# Altium PCB BLDC_DRIVER_1.2_AR.PcbDoc (part 1 of 3) (continued)
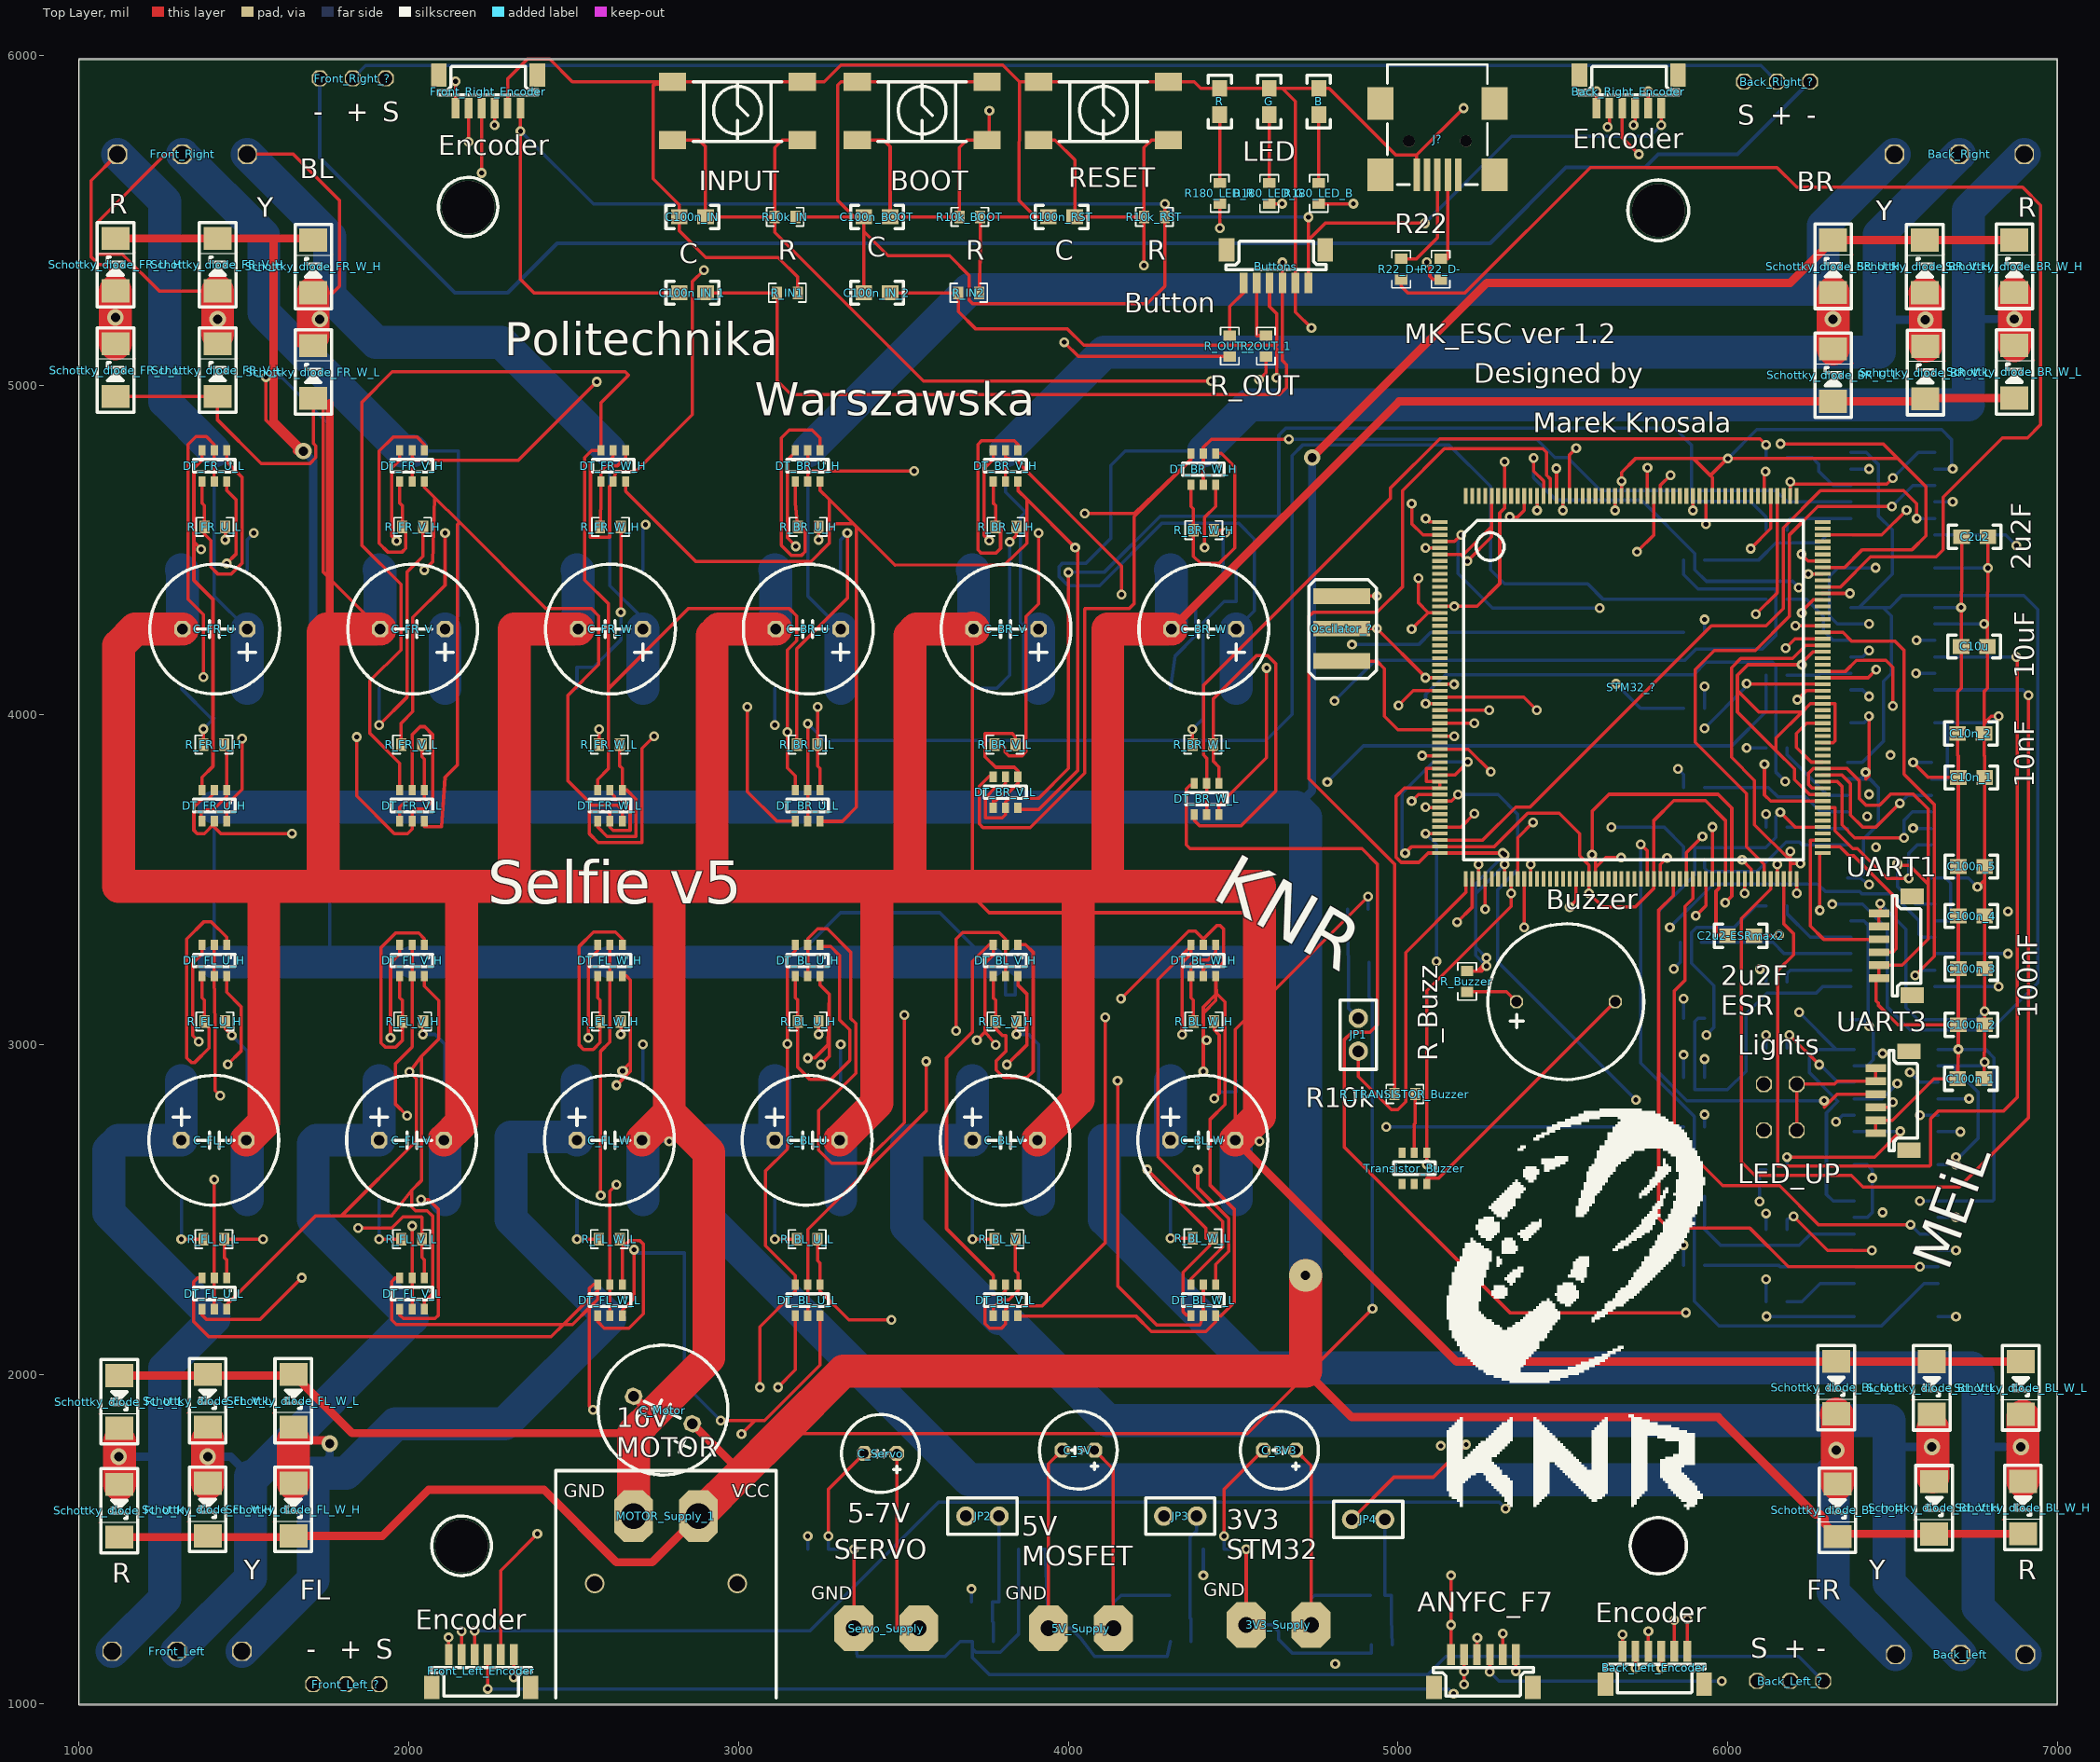
[diagram p0: Top Layer view]
## Components (designator, comment, footprint, x,y, rotation, side; value= is the part's Value field where it differs from the comment) (continued)
DT_FR_W_L "Dual_transistors" SOT457 2610,3660 r180 top
Front_Left "3_phase_engine_con" DG300-5.0-03P-12-00A 1100,1160 r0 top
Front_Left_? "Servo_con" Raster_2.54_3pin 1710,1060 r0 top
Front_Left_Encoder "SPI" "JST SR SH 1.0 TOP" 2070,1050 r0 top
Front_Right "3_phase_engine_con" DG300R-5.0-03P-12-00A(H) 1510,5700 r180 top
Front_Right_? "Servo_con" Raster_2.54_3pin 1730,5930 r0 top
Front_Right_Encoder "SPI" "JST SR SH 1.0 TOP" 2390,5940 r180 top
G "LED" 0603 4610,5820 r90 top
INPUT "Tact_Switch" "LSH Gullwing" 2800,5920 r180 top
J? "65100516121" 65100516121 5120,5790 r180 top
JP1 "jumper" jumper 4880,3080 r270 top
JP2 "jumper" jumper 3790,1570 r180 top
JP3 "jumper" jumper 4390,1570 r180 top
JP4 "jumper" jumper 4960,1560 r180 top
LED_UP "LED_UP" Raster_2.54_2pin 6210,2740 r180 top
Lights "WS2812" Raster_2.54_2pin 6210,2880 r180 top
MOSFET_BL_U_H "IFR1018EPbF" TO-263 3110,2890 r180 bottom
MOSFET_BL_U_L "IFR1018EPbF" TO-263 3310,2530 r0 bottom
MOSFET_BL_V_H "IFR1018EPbF" TO-263 3710,2890 r180 bottom
MOSFET_BL_V_L "IFR1018EPbF" TO-263 3910,2530 r0 bottom
MOSFET_BL_W_H "IFR1018EPbF" TO-263 4310,2890 r180 bottom
MOSFET_BL_W_L "IFR1018EPbF" TO-263 4510,2530 r0 bottom
MOSFET_BR_U_H "IFR1018EPbF" TO-263 3310,4080 r0 bottom
MOSFET_BR_U_L "IFR1018EPbF" TO-263 3110,4440 r180 bottom
MOSFET_BR_V_H "IFR1018EPbF" TO-263 3910,4080 r0 bottom
MOSFET_BR_V_L "IFR1018EPbF" TO-263 3710,4440 r180 bottom
MOSFET_BR_W_H "IFR1018EPbF" TO-263 4510,4080 r0 bottom
MOSFET_BR_W_L "IFR1018EPbF" TO-263 4310,4440 r180 bottom
MOSFET_FL_U_H "IFR1018EPbF" TO-263 1310,2890 r180 bottom
MOSFET_FL_U_L "IFR1018EPbF" TO-263 1510,2530 r0 bottom
MOSFET_FL_V_H "IFR1018EPbF" TO-263 1910,2890 r180 bottom
MOSFET_FL_V_L "IFR1018EPbF" TO-263 2110,2530 r0 bottom
MOSFET_FL_W_H "IFR1018EPbF" TO-263 2510,2890 r180 bottom
MOSFET_FL_W_L "IFR1018EPbF" TO-263 2710,2530 r0 bottom
MOSFET_FR_U_H "IFR1018EPbF" TO-263 1510,4080 r0 bottom
MOSFET_FR_U_L "IFR1018EPbF" TO-263 1310,4440 r180 bottom
MOSFET_FR_V_H "IFR1018EPbF" TO-263 2110,4080 r0 bottom
MOSFET_FR_V_L "IFR1018EPbF" TO-263 1910,4440 r180 bottom
MOSFET_FR_W_H "IFR1018EPbF" TO-263 2710,4080 r0 bottom
MOSFET_FR_W_L "IFR1018EPbF" TO-263 2510,4440 r180 bottom
MOTOR_Supply_1 "2-pin" XT30-katowy-in 2780,1570 r180 top (schematic designator MOT_OUT)
Oscilator_? "CSTCC8M00G53-R0" CSTCC8M00G53-R0 4830,4360 r270 top
R "LED" 0603 4460,5820 r90 top
R10k_BOOT "Res" R0603 3670,5510 r0 top
R10k_IN "Res" R0603 3110,5510 r0 top
R10k_RST "Res" R0603 4230,5510 r0 top
R22_D+ "Res" R0603 5010,5320 r90 top
R22_D- "Res" R0603 5130,5320 r90 top
R180_LED_B "Res" R0603 4760,5550 r90 top
R180_LED_G "Res" R0603 4610,5550 r90 top
R180_LED_R "Res" R0603 4460,5550 r90 top
R_3V3_1 "Res" R0603 4980,1330 r180 bottom
R_3V3_2 "Res" R0603 4920,1180 r0 bottom
R_BL_U_H "Res" R0603 3180,3070 r0 top
R_BL_U_L "Res" R0603 3240,2410 r180 top
R_BL_V_H "Res" R0603 3780,3070 r0 top
R_BL_V_L "Res" R0603 3840,2410 r180 top
R_BL_W_H "Res" R0603 4380,3070 r0 top
R_BL_W_L "Res" R0603 4440,2412.28 r180 top
R_BR_U_H "Res" R0603 3180,4570 r0 top
R_BR_U_L "Res" R0603 3240,3910 r180 top
R_BR_V_H "Res" R0603 3780,4570 r0 top
R_BR_V_L "Res" R0603 3840,3910 r180 top
R_BR_W_H "Res" R0603 4380,4560 r0 top
R_BR_W_L "Res" R0603 4440,3910 r180 top
R_Buzzer "Res" R0603 5210,3160 r90 top
R_DT_BL_U_H "Res" R0603 5930,2900 r180 bottom
R_DT_BL_U_L "Res" R0603 6180,2990 r180 bottom
R_DT_BL_V_H "Res" R0603 5930,3080 r180 bottom
R_DT_BL_V_L "Res" R0603 6180,3190 r180 bottom
R_DT_BL_W_H "Res" R0603 5920,3310 r180 bottom
R_DT_BL_W_L "Res" R0603 6180,3420 r180 bottom
R_DT_BR_U_H "Res" R0603 5930,4250 r180 bottom
R_DT_BR_U_L "Res" R0603 6180,4350 r180 bottom
R_DT_BR_V_H "Res" R0603 5930,4470 r180 bottom
R_DT_BR_V_L "Res" R0603 6180,4560 r180 bottom
R_DT_BR_W_H "Res" R0603 5920,4680 r180 bottom
R_DT_BR_W_L "Res" R0603 6180,4780 r180 bottom
R_DT_FL_U_H "Res" R0603 6180,2220 r180 bottom
R_DT_FL_U_L "Res" R0603 5930,2330 r180 bottom
R_DT_FL_V_H "Res" R0603 6180,2440 r180 bottom
R_DT_FL_V_L "Res" R0603 5930,2540 r180 bottom
R_DT_FL_W_H "Res" R0603 6180,2620 r180 bottom
R_DT_FL_W_L "Res" R0603 5930,2750 r180 bottom
R_DT_FR_U_H "Res" R0603 5930,3560 r180 bottom
R_DT_FR_U_L "Res" R0603 6180,3660 r180 bottom
R_DT_FR_V_H "Res" R0603 5930,3780 r180 bottom
R_DT_FR_V_L "Res" R0603 6180,3900 r180 bottom
R_DT_FR_W_H "Res" R0603 5930,4020 r180 bottom
R_DT_FR_W_L "Res" R0603 6180,4120 r180 bottom
R_FL_U_H "Res" R0603 1380,3070 r0 top
R_FL_U_L "Res" R0603 1440,2410 r180 top
R_FL_V_H "Res" R0603 1980,3070 r0 top
R_FL_V_L "Res" R0603 2040,2410 r180 top
R_FL_W_H "Res" R0603 2580,3070 r0 top
R_FL_W_L "Res" R0603 2640,2410 r180 top
R_FR_U_H "Res" R0603 1440,3910 r180 top
R_FR_U_L "Res" R0603 1380,4570 r0 top
R_FR_V_H "Res" R0603 1980,4570 r0 top
R_FR_V_L "Res" R0603 2040,3910 r180 top
R_FR_W_H "Res" R0603 2580,4570 r0 top
R_FR_W_L "Res" R0603 2640,3910 r180 top
R_GND_5V_3V3 "Res" R0603 4410,1470 r0 bottom
R_GND_MOT_SERV "Res" R0603 3210,1470 r0 bottom
R_GND_SERV_5V "Res" R0603 3850,1470 r0 bottom
R_IN1 "Res" R0603 3180,5280 r180 top
R_IN2 "Res" R0603 3730,5280 r180 top
R_OUT_1 "Res" R0603 4600,5150 r270 top
R_OUT_2 "Res" R0603 4490,5150 r270 top
R_TRANSISTOR_Buzzer "Res" R0603 4990,2850 r0 top
R_V5_1 "Res" R0603 4370,1330 r180 bottom
R_V5_2 "Res" R0603 4310,1190 r0 bottom
R_VMOT1 "Res" R0603 4850,3250 r0 bottom
R_VMOT2 "Res" R0603 4910,3410 r180 bottom
R_VSERVO1 "Res" R0603 3770,1310 r180 bottom
R_VSERVO2 "Res" R0603 3710,1190 r0 bottom
RESET "Tact_Switch" "LSH Gullwing" 3910,5920 r180 top
Schottky_diode_BL_U_H "Schottky_diode" DO-214AC 6333.62,1508.07 r270 top
Schottky_diode_BL_U_L "Schottky_diode" DO-214AC 6330,1880 r270 top
Schottky_diode_BL_V_H "Schottky_diode" DO-214AC 6627.09,1515.36 r270 top
Schottky_diode_BL_V_L "Schottky_diode" DO-214AC 6619.81,1878.86 r270 top
Schottky_diode_BL_W_H "Schottky_diode" DO-214AC 6896.11,1516.15 r270 top
Schottky_diode_BL_W_L "Schottky_diode" DO-214AC 6889.81,1878.86 r270 top
Schottky_diode_BR_U_H "Schottky_diode" DO-214AC 6320,5440 r90 top
Schottky_diode_BR_U_L "Schottky_diode" DO-214AC 6320,5110 r90 top
Schottky_diode_BR_V_H "Schottky_diode" DO-214AC 6598.19,5439.49 r90 top
Schottky_diode_BR_V_L "Schottky_diode" DO-214AC 6600,5117.68 r90 top
Schottky_diode_BR_W_H "Schottky_diode" DO-214AC 6870,5440 r90 top
Schottky_diode_BR_W_L "Schottky_diode" DO-214AC 6870,5120 r90 top
Schottky_diode_FL_U_H "Schottky_diode" DO-214AC 1122.13,1506.57 r270 top
Schottky_diode_FL_U_L "Schottky_diode" DO-214AC 1122.13,1836.57 r270 top
Schottky_diode_FL_V_H "Schottky_diode" DO-214AC 1390,1510 r270 top
Schottky_diode_FL_V_L "Schottky_diode" DO-214AC 1390,1840 r270 top
Schottky_diode_FL_W_H "Schottky_diode" DO-214AC 1650,1510 r270 top
Schottky_diode_FL_W_L "Schottky_diode" DO-214AC 1650,1840 r270 top
Schottky_diode_FR_U_H "Schottky_diode" DO-214AC 1110,5445 r90 top
Schottky_diode_FR_U_L "Schottky_diode" DO-214AC 1110,5125 r90 top
Schottky_diode_FR_V_H "Schottky_diode" DO-214AC 1420,5445 r90 top
Schottky_diode_FR_V_L "Schottky_diode" DO-214AC 1420,5125 r90 top
Schottky_diode_FR_W_H "Schottky_diode" DO-214AC 1710,5439.45 r90 top
Schottky_diode_FR_W_L "Schottky_diode" DO-214AC 1710,5119.45 r90 top
Servo_Supply "2-pin" 2-pin-zielony-prosty 3350,1230 r0 top
STM32_? "STM32F769BGT6-SELFIE" LQFP208 5200,4640 r0 top
TO1 "HCPL-090J" SOIC-16 6620,2530 r270 bottom
TO2 "HCPL-090J" SOIC-16 6620,2990 r270 bottom
TO3 "HCPL-090J" SOIC-16 6610,3430 r270 bottom
TO4 "HCPL-090J" SOIC-16 6600,3860 r270 bottom
TO5 "HCPL-090J" SOIC-16 6610,4330 r270 bottom
TO6 "HCPL-090J" SOIC-16 6610,4800 r270 bottom
Transistor_Buzzer "PBSS4160DPN.115" SOT457 5050,2560 r180 top
UART1 "UART" "JST SR SH 1.0 TOP" 6560,3150 r90 top
UART3 "UART" "JST SR SH 1.0 TOP" 6550,2680 r90 top

## Footprints (in the part's own frame and the unit in brackets; to place one, negate y for a bottom-side part, rotate by r counter-clockwise, add the part's x,y. Pads: shape width x height; smd on the part's side, far side on the other; paste and mask are expansions set on the pad)
2-pin-zielony-prosty [mm]
  oct 3x3.5 hole 1.2: 1(0,0) 2(5,0)
  body extent -3.5,-4.7 8.5,3.8, height 12
2.5mm [mil]
  oct 45x45 hole 28: 1(0,0) 2(98.43,0)
  silkscreen extent -69,-118 167,118, body extent -49,-98 148,98, height 433
5mm [mil]
  oct 50x50 hole 32: 1(0,0) 2(196.85,0)
  silkscreen extent -98,-197 295,197, body extent -98,-197 295,197, height 787
0603 [mil]
  rect 50x45 smd: 1(0,0) 2(80,0)
  silkscreen extent -40,-35 120,35, body extent 9,-17 72,17, height 33
65100516121 [mm] "Mini USB 2.0 Type B SMT Horizontal 5 Contacts"
  rect 0.5x2.5 smd: 1(-1.6,3.875) 2(-0.8,3.875) 3(0,3.875) 4(0.8,3.875) 5(1.6,3.875)
  round 0.9 hole 0.9 unplated: MH1(-2.2,1.275) MH2(2.2,1.275)
  rect 2x2.5 smd: Shell(-4.4,3.875) Shell(-4.4,-1.625) Shell(4.4,3.875) Shell(4.4,-1.625)
  silkscreen extent -3.85,-4.62 3.85,4.62, body extent -4.8,-4.62 4.8,4.63, height 3.92
Buzzer_LOUDITY [mm]
  oct 1x1 hole 0.8: 1(-7.6,0) 2(0,0)
  silkscreen extent -9.8,-6 2.2,6, body extent -9.8,-6 5.65,6, height 9.65
CSTCC8M00G53-R0 [mm]
  rect 1.2x4.4 smd: 1(0,0) 2(2.5,0) 3(5,0)
  silkscreen extent -1.27,-2.54 6.35,2.67, body extent -1.06,-1.52 6.14,1.48, height 1.25
DG300-5.0-03P-12-00A [mm]
  oct 1.5x1.5 hole 1.3: 1(0,0) 2(5,0) 3(10,0)
  body extent -2.5,-4 12.5,5, height 12.6
DG300R-5.0-03P-12-00A(H) [mm]
  oct 1.5x1.5 hole 1.3: 1(0,0) 2(5,0) 3(10,0)
  body extent -2.5,-7.3 13.1,2.7, height 7.6
DO-214AC [mm]
  rect 1.78x2.16 smd: 1(-4.05,0) 2(0,0)
  Top Layer lines w0.051: -1.092,-1.575 -1.143,-1.524
  silkscreen extent -5.28,-1.52 1.22,1.4, body extent -4.55,-1.43 0.45,1.27, height 2.33
"JST SR SH 1.0 TOP" [mm]
  rect 0.6x1.6 smd: 1(1.3,2.55) 2(2.3,2.55) 3(3.3,2.55) 4(4.3,2.55) 5(5.3,2.55) 6(6.3,2.55)
  rect 1.2x1.8 smd: 7(7.6,0) 8(0,0)
  silkscreen extent -0.05,-0.66 7.67,1.52, body extent -0.19,-0.74 7.81,2.86, height 4.25
jumper [mm]
  round 1.5 hole 0.9: 1(0,0) 2(2.54,0)
  silkscreen extent -1.4,-1.4 3.94,1.4, body extent -1.23,-1.27 3.77,1.27, height 9.5
LQFP208 [mm]
  rect 1.2x0.3 smd: 1(-1.85,-1.4) 2(-1.85,-1.9) 3(-1.85,-2.4) 4(-1.85,-2.9) 5(-1.85,-3.4) 6(-1.85,-3.9) 7(-1.85,-4.4) 8(-1.85,-4.9) 9(-1.85,-5.4) 10(-1.85,-5.9) 11(-1.85,-6.4) 12(-1.85,-6.9) 13(-1.85,-7.4) 14(-1.85,-7.9) 15(-1.85,-8.4) 16(-1.85,-8.9) 17(-1.85,-9.4) 18(-1.85,-9.9) 19(-1.85,-10.4) 20(-1.85,-10.9) 21(-1.85,-11.4) 22(-1.85,-11.9) 23(-1.85,-12.4) 24(-1.85,-12.9) 25(-1.85,-13.4) 26(-1.85,-13.9) 27(-1.85,-14.4) 28(-1.85,-14.9) 29(-1.85,-15.4) 30(-1.85,-15.9) 31(-1.85,-16.4) 32(-1.85,-16.9) 33(-1.85,-17.4) 34(-1.85,-17.9) 35(-1.85,-18.4) 36(-1.85,-18.9) 37(-1.85,-19.4) 38(-1.85,-19.9) 39(-1.85,-20.4) 40(-1.85,-20.9) 41(-1.85,-21.4) 42(-1.85,-21.9) 43(-1.85,-22.4) 44(-1.85,-22.9) 45(-1.85,-23.4) 46(-1.85,-23.9) 47(-1.85,-24.4) 48(-1.85,-24.9) 49(-1.85,-25.4) 50(-1.85,-25.9) 51(-1.85,-26.4) 52(-1.85,-26.9) 105(27.65,-26.9) 106(27.65,-26.4) 107(27.65,-25.9) 108(27.65,-25.4) 109(27.65,-24.9) 110(27.65,-24.4) 111(27.65,-23.9) 112(27.65,-23.4) 113(27.65,-22.9) 114(27.65,-22.4) 115(27.65,-21.9) 116(27.65,-21.4) 117(27.65,-20.9) 118(27.65,-20.4) 119(27.65,-19.9) 120(27.65,-19.4) 121(27.65,-18.9) 122(27.65,-18.4) 123(27.65,-17.9) 124(27.65,-17.4) 125(27.65,-16.9) 126(27.65,-16.4) 127(27.65,-15.9) 128(27.65,-15.4) 129(27.65,-14.9) 130(27.65,-14.4) 131(27.65,-13.9) 132(27.65,-13.4) 133(27.65,-12.9) 134(27.65,-12.4) 135(27.65,-11.9) 136(27.65,-11.4) 137(27.65,-10.9) 138(27.65,-10.4) 139(27.65,-9.9) 140(27.65,-9.4) 141(27.65,-8.9) 142(27.65,-8.4) 143(27.65,-7.9) 144(27.65,-7.4) 145(27.65,-6.9) 146(27.65,-6.4) 147(27.65,-5.9) 148(27.65,-5.4) 149(27.65,-4.9) 150(27.65,-4.4) 151(27.65,-3.9) 152(27.65,-3.4) 153(27.65,-2.9) 154(27.65,-2.4) 155(27.65,-1.9) 156(27.65,-1.4)
  rect 0.3x1.2 smd: 53(0.15,-28.9) 54(0.65,-28.9) 55(1.15,-28.9) 56(1.65,-28.9) 57(2.15,-28.9) 58(2.65,-28.9) 59(3.15,-28.9) 60(3.65,-28.9) 61(4.15,-28.9) 62(4.65,-28.9) 63(5.15,-28.9) 64(5.65,-28.9) 65(6.15,-28.9) 66(6.65,-28.9) 67(7.15,-28.9) 68(7.65,-28.9) 69(8.15,-28.9) 70(8.65,-28.9) 71(9.15,-28.9) 72(9.65,-28.9) 73(10.15,-28.9) 74(10.65,-28.9) 75(11.15,-28.9) 76(11.65,-28.9) 77(12.15,-28.9) 78(12.65,-28.9) 79(13.15,-28.9) 80(13.65,-28.9) 81(14.15,-28.9) 82(14.65,-28.9) 83(15.15,-28.9) 84(15.65,-28.9) 85(16.15,-28.9) 86(16.65,-28.9) 87(17.15,-28.9) 88(17.65,-28.9) 89(18.15,-28.9) 90(18.65,-28.9) 91(19.15,-28.9) 92(19.65,-28.9) 93(20.15,-28.9) 94(20.65,-28.9) 95(21.15,-28.9) 96(21.65,-28.9) 97(22.15,-28.9) 98(22.65,-28.9) 99(23.15,-28.9) 100(23.65,-28.9) 101(24.15,-28.9) 102(24.65,-28.9) 103(25.15,-28.9) 104(25.65,-28.9) 157(25.65,0.6) 158(25.15,0.6) 159(24.65,0.6) 160(24.15,0.6) 161(23.65,0.6) 162(23.15,0.6) 163(22.65,0.6) 164(22.15,0.6) 165(21.65,0.6) 166(21.15,0.6) 167(20.65,0.6) 168(20.15,0.6) 169(19.65,0.6) 170(19.15,0.6) 171(18.65,0.6) 172(18.15,0.6) 173(17.65,0.6) 174(17.15,0.6) 175(16.65,0.6) 176(16.15,0.6) 177(15.65,0.6) 178(15.15,0.6) 179(14.65,0.6) 180(14.15,0.6) 181(13.65,0.6) 182(13.15,0.6) 183(12.65,0.6) 184(12.15,0.6) 185(11.65,0.6) 186(11.15,0.6) 187(10.65,0.6) 188(10.15,0.6) 189(9.65,0.6) 190(9.15,0.6) 191(8.65,0.6) 192(8.15,0.6) 193(7.65,0.6) 194(7.15,0.6) 195(6.65,0.6) 196(6.15,0.6) 197(5.65,0.6) 198(5.15,0.6) 199(4.65,0.6) 200(4.15,0.6) 201(3.65,0.6) 202(3.15,0.6) 203(2.65,0.6) 204(2.15,0.6) 205(1.65,0.6) 206(1.15,0.6) 207(0.65,0.6) 208(0.15,0.6)
  silkscreen extent 0,-27.43 26.16,-1.27, body extent -1.84,-28.92 27.66,0.58, height 1.39
"LSH Gullwing" [mm]
  rect 2.1x1.4 smd: 1(-10,4.5) 2(0,4.5) 3(-10,0) 4(0,0)
  silkscreen extent -8.4,0 -1.6,4.6, body extent -10,-0.75 0,5.25, height 4.97
R0603 [mil]
  rect 31x38 smd: 1(0,0) 2(63,0)
  silkscreen extent -25,-28 88,28, body extent -1,-17 62,17, height 19
Raster_2.54_2pin [mm]
  oct 1.22x1.22 hole 1.05: 1(0,0) 2(2.54,0)
  body extent -1.3,-1.27 3.78,1.27, height 8.54
Raster_2.54_3pin [mm]
  oct 1.22x1.22 hole 1.05: 1(0,0) 2(2.54,0) 3(5.08,0)
  body extent -1.27,-1.27 6.35,1.27, height 8.57
SOIC-16 [mm]
  rect 0.72x1.78 smd: 1(0.11,-0.46) 2(1.38,-0.46) 3(2.65,-0.46) 4(3.92,-0.46) 5(5.19,-0.46) 6(6.46,-0.46) 7(7.73,-0.46) 8(9,-0.46) 9(9,6) 10(7.73,6) 11(6.46,6) 12(5.19,6) 13(3.92,6) 14(2.65,6) 15(1.38,6) 16(0.11,6)
  silkscreen extent -0.53,0.79 9.63,4.73, body extent -0.5,-0.3 9.7,5.7, height 1.7
SOT457 [mm]
  rect 0.55x0.8 smd: 1(-0.95,-2.85) 2(0,-2.85) 3(0.95,-2.85) 4(0.95,-0.45) 5(0,-0.45) 6(-0.95,-0.45)
  silkscreen extent -1.6,-2.13 1.6,-1.18, body extent -1.45,-3.05 1.45,-0.25, height 1.23
TO-263 [mm]
  rect 10.8x9.4 smd: D(-2.54,9.15)
  rect 1.35x4.6 smd: G(-5.08,0) S(0,0)
  silkscreen extent -8.89,-3.05 3.81,14.48, body extent -7.54,-1.94 2.46,13.73, height 4.83
XT30-katowy-in [mm]
  oct 3x4 hole 2: 1(2.5,0) 2(-2.5,0)
  silkscreen extent -8.5,-3.5 8.5,14, body extent -6.65,-0.91 6.65,14.1, height 5.2

## Part data
J?: "Mini USB 2.0 Type B Receptacle WR-COM, Horizontal, SMT, with Pads and Pegs"

## Via types
v1: diameter 30, hole 15, Top Layer to Bottom Layer, 359 vias
v2: diameter 50, hole 28, Top Layer to Bottom Layer, 14 vias
v3: diameter 160, hole 160, Top Layer to Bottom Layer, 4 vias
v4: diameter 59.06, hole 47.24, Top Layer to Bottom Layer, 2 vias
v5: diameter 100, hole 28, Top Layer to Bottom Layer, 1 vias

## Nets (pads, with @x,y where several pads share a name; then routed paths per layer and width w, separated by ;. In a path a pad name is that pad's centre, name@x,y a point inside that pad or via, vN(x,y) a via of type N, cw(c..) or ccw(c..) an arc to the next point about the centre after c; other vN are vias at no path point)
3V3: 3V3_Supply.2 ANYFC_F7.1 Back_Left_Encoder.1 Back_Right_Encoder.1 BOOT.3 BOOT.4 Buttons.1 C2u2.2 C10n_1.2 C10n_2.2 C10u.2 C100n_1.2 C100n_2.2 C100n_3.2 C100n_4.2 C100n_5.2 C100n_BOOT.2 C100n_IN_1.2 C100n_IN_2.2 C_3V3.1 Front_Left_Encoder.1 Front_Right_Encoder.1 R10k_IN.2 R10k_RST.2 R_3V3_1.2 R_Buzzer.2 STM32_?.6 STM32_?.15 STM32_?.26 STM32_?.39 STM32_?.41 STM32_?.42 STM32_?.52 STM32_?.59 STM32_?.73 STM32_?.83 STM32_?.94 STM32_?.103 STM32_?.115 STM32_?.118 STM32_?.137 STM32_?.150 STM32_?.158 STM32_?.171 STM32_?.185 STM32_?.204 TO1.1 TO2.1 TO3.1 TO4.1 TO5.1 TO6.1 UART1.1 UART1.2 UART3.1 UART3.2 | length 30494.4
  Top Layer w10: v1(2121,1202) 2121.18,1201.82 Front_Left_Encoder.1@2121.18,1150.39 ; Front_Right_Encoder.1@2338.82,5839.61 v1(2338.82,5770) 2338.82,5320 2378.82,5280 C100n_IN_1.2@2820,5280 ; R10k_IN.2@3173,5510 3351,5510 ; C100n_IN_2.2@3380,5280 3380,5466 ; BOOT.3@3753.7,5920 BOOT.4@3360,5920 3311,5920 3301,5910 3301,5560 3351,5510 ; v1(4293,5549) R10k_RST.2@4293,5510 4293,5300 4240,5247 3710,5247 3699,5258 3699,5333 3640,5392 3454,5392 3380,5466 ; C_3V3.1@4690,1770 4736.85,1723.15 3V3_Supply.2@4736.85,1240 ; Buttons.1@4728.82,5309.61 4728.82,5440 ; v1(4728.82,5509.18) 4728.82,5440 ; v1(5042,4260) 5092,4310 ; v1(5062,4414) 5062,4340 5092,4310 ; v1(5081.82,5490.82) 4779.64,5490.82 4728.82,5440 ; STM32_?.39@5127.17,3836.85 5087.01,3836.85 5087.01,3797.48 STM32_?.41@5127.17,3797.48 STM32_?.42@5127.17,3777.8 5019.8,3777.8 4993.97,3751.97 4993.97,3568.66 5010,3552.63 5063.92,3552.63 5092.23,3580.94 STM32_?.52@5127.17,3580.94 v1(5318.07,3580.94) ; STM32_?.26@5127.17,4092.76 v1(5170.76,4092.76) ; STM32_?.6@5127.17,4486.46 5190.54,4486.46 5195.27,4481.73 ; ANYFC_F7.1@5161.18,1150.39 v1(5161.18,1240) v1(5161.18,1390) ; R_Buzzer.2@5210,3223 5240,3223 ; v1(5269,3238) 5254,3223 5240,3223 ; v1(5269,3263) 5269,3252 5240,3223 ; STM32_?.204@5284.65,4663.62 5284.65,4571.1 ; STM32_?.59@5324.02,3502.2 v1(5324.02,3545.83) v1(5324,3546) v1(5324.02,3575) ; STM32_?.73@5599.61,3502.2 5599.61,3536.21 ; STM32_?.185@5658.66,4663.62 5658.66,4620.34 v1(5659,4620) ; v1(5677,3567) 5630.39,3567 5599.61,3536.21 ; Back_Left_Encoder.1@5681.18,1160.39 v1(5681.18,1211) ; STM32_?.83@5796.46,3502.2 5796.46,3545.83 v1(5816.46,3565.83) ; v1(5798.82,5788) Back_Right_Encoder.1@5798.82,5839.61 ; v1(5934.25,4578.42) STM32_?.171@5934.25,4663.62 ; v1(5992.99,3430) 6012.99,3450 STM32_?.94@6012.99,3502.2 6012.99,3717.01 5971,3759 5641,3759 5589,3707 v1(5589,3576) 5599.61,3565.39 5599.61,3536.21 ; v1(6190,3586) 6190.16,3585.84 6190.16,3558.68 ; STM32_?.103@6190.16,3502.2 6190.16,3549 ; STM32_?.158@6190.16,4663.62 v1(6190.16,4707.24) 6197.16,4700.24 6483.24,4700.24 v1(6501,4718) ; v1(6221,3549) 6190.16,3549 ; v1(6224,4487) 6244.23,4466.77 STM32_?.150@6288.58,4466.77 ; STM32_?.115@6288.58,3777.8 6256.2,3777.8 6245,3789 6245,3821.85 6260,3836.85 STM32_?.118@6288.58,3836.85 6363.15,3836.85 6399,3801 6399,3747 6420,3726 6461,3726 6495,3760 6563,3760 6609,3714 6609,3486 ; STM32_?.137@6288.58,4210.87 6236.87,4210.87 6197,4171 6040,4171 6012,4143 6012,3871 6082,3801 6082,3666.84 6190.16,3558.68 ; UART3.1@6449.61,2731.18 UART3.2@6449.61,2770.55 6499.55,2770.55 6625.35,2896.35 C100n_1.2@6697.95,2896.35 6700,2981.05 v1(6700,2985.67) C100n_2.2@6700,3060 ; v1(6515,3544) 6551,3544 6609,3486 ; v1(6563,3855.67) 6608.67,3810 C10n_1.2@6700,3810 ; C2u2.2@6710,4540 6710,4373.42 6708.58,4372 v1(6708.58,4325.67) C10u.2@6708.58,4207.22 6708.58,4080.63 6697.95,4070 C10n_2.2@6697.95,3943.51 6697.95,3877.05 6700,3875 C10n_1.2@6700,3810 ; 3351,5510 C100n_BOOT.2@3380,5510 3380,5466 ; 5092,4310 5092.71,4309.29 STM32_?.15@5127.17,4309.29 5092,4310 ; 5195.27,4481.73 v1(5211,4466) 5284.65,4539.65 5284.65,4571.1 ; 5195.27,4481.73 5284.65,4571.1 ; 6190.16,3549 6190.16,3558.68 ; 6609,3486 6609,3320 6529.55,3240.55 UART1.2@6459.61,3240.55 UART1.1@6459.61,3201.18 6451,3201.18 6451,3132 6457,3126 6457,3120 6517,3060 C100n_2.2@6700,3060 ; C100n_2.2@6700,3060 C100n_3.2@6700,3230 C100n_4.2@6700,3390 C100n_5.2@6700,3540 C10n_1.2@6700,3810
  Signal Layer 1 w12: v1(2121,1202) 2152,1171 2965,1171 3041,1095 4680,1095 4736.85,1151.85 3V3_Supply.2@4736.85,1240 v1(5161.18,1240) ; C_3V3.1@4690,1770 4734,1726 5954,1726 6468,2240 6468,2410.67 v1(6583,2525.67) ; v1(5161.18,1390) 5502.18,1390 v1(5681.18,1211) ; v1(5318.07,3580.94) v1(5324.02,3575) ; v1(5324.02,3545.83) 5354.19,3576 ; v1(5324,3576) 5354.19,3576 ; v1(5589,3576) 5354.19,3576 ; v1(5659,4620) 5700.58,4578.42 v1(5934.25,4578.42) 6061.34,4578.42 ; v1(5677,3567) 5678.17,3565.83 v1(5816.46,3565.83) ; v1(5992.99,3430) 6130,3430 6190,3490 v1(6190,3586) ; v1(6190.16,4707.24) 6061.34,4578.42 ; v1(6221,3549) v1(6515,3549) ; v1(6224,4487) 6132.58,4578.42 6061.34,4578.42
  Signal Layer 2 w12: v1(5042,4260) 5170.76,4131.24 v1(5170.76,4092.76) ; v1(5062,4414) 5159,4414 v1(5211,4466) 5539.71,4466 5659,4585.29 v1(5659,4620) ; v1(5798.82,5788) 5969.82,5959 6180,5959 6202,5937 6202,5768 6240,5730 6240,4503 v1(6224,4487) ; v1(6501,4718) 6515,4704 6732,4704 6732,4349.09 v1(6708.58,4325.67)
  Bottom Layer w10: v1(2338.82,5770) 2559.82,5549 v1(4293,5549) 4332.82,5509.18 v1(4728.82,5509.18) ; 3V3_Supply.2@4736.85,1240 4736.85,1320 4746.85,1330 R_3V3_1.2@4917,1330 ; v1(5081.82,5490.82) 5345,5754 5764.82,5754 v1(5798.82,5788) ; v1(5269,3238) 5236,3271 5236,3296 ; v1(5269,3263) 5236,3296 ; v1(5324,3546) 5236,3458 ; v1(5324,3576) 5236,3488 5236,3458 ; v1(6501,4718) 6578.67,4795.67 TO6.1@6628.11,4795.67 ; v1(6515,3549) v1(6515,3544) 6515,3479.59 6568.92,3425.67 TO3.1@6628.11,3425.67 ; v1(6563,3855.67) TO4.1@6618.11,3855.67 ; v1(6583,2525.67) TO1.1@6638.11,2525.67 6804,2525.67 6808,2529.67 6808,2960 6782.33,2985.67 v1(6700,2985.67) TO2.1@6638.11,2985.67 ; TO5.1@6628.11,4325.67 v1(6708.58,4325.67) ; 5236,3296 5236,3458
GND_3V3: 3V3_Supply.1 ANYFC_F7.2 B.2 Back_Left_Encoder.2 Back_Right_Encoder.2 Buttons.2 C2u2.1 C10n_1.1 C10n_2.1 C10u.1 C100n_1.1 C100n_2.1 C100n_3.1 C100n_4.1 C100n_5.1 C100n_IN.2 C100n_RST.2 C_3V3.2 Front_Left_Encoder.2 Front_Right_Encoder.2 G.2 INPUT.3 INPUT.4 J?.5 LED_UP.1 Lights.1 Oscilator_?.2 R10k_BOOT.2 R.2 R_3V3_2.1 R_GND_5V_3V3.2 R_IN1.1 R_IN2.1 RESET.3 RESET.4 STM32_?.14 STM32_?.25 STM32_?.40 STM32_?.51 STM32_?.60 STM32_?.72 STM32_?.82 STM32_?.93 STM32_?.114 STM32_?.122 STM32_?.128 STM32_?.136 STM32_?.149 STM32_?.170 STM32_?.184 STM32_?.202 TO1.2 TO1.8 TO2.2 TO2.8 TO3.2 TO3.8 TO4.2 TO4.8 TO5.2 TO5.8 TO6.2 TO6.8 Transistor_Buzzer.1 UART1.5 UART1.6 UART3.5 UART3.6 | length 30553.4
  Top Layer w10: Front_Left_Encoder.2@2160.55,1150.39 v1(2160.55,1221) ; Front_Right_Encoder.2@2299.45,5839.61 2299.45,5928.45 2360,5989 2427,5989 2496,5920 INPUT.4@2800,5920 ; R_IN1.1@3180,5280 3180,5327 3120,5387 2901,5387 2820,5468 C100n_IN.2@2820,5510 2820,5547 2741,5626 2741,5910 INPUT.4@2800,5920 ; R_IN2.1@3730,5280 3733,5398 R10k_BOOT.2@3733,5510 3901,5510 ; C100n_RST.2@3940,5510 3901,5510 ; v1(4473,1509) 4473,1651.43 C_3V3.2@4591.57,1770 ; 3V3_Supply.1@4540,1240 v1(4540,1470) ; v1(4738,5173) 4689.45,5221.55 Buttons.2@4689.45,5309.61 4689.45,5860.55 4650,5900 ; Oscilator_?.2@4830,4261.57 v1(4936.62,4261.57) v1@5085.75,4112.44 ; v1(5021.97,3580.63) 5041.97,3600.63 STM32_?.51@5127.17,3600.63 5292.63,3600.63 5394,3702 5489,3702 5551,3640 5551,3572.92 5579.92,3544 STM32_?.72@5579.92,3502.2 v1(5579.92,3459) 5621.92,3417 5720,3417 5776.77,3473.77 STM32_?.82@5776.77,3502.2 5776.77,3680 5836.77,3740 5933.31,3740 5993.31,3680 STM32_?.93@5993.31,3502.2 ; J?.5@5057.01,5637.44 5057.01,5697.97 ; v1(5083.54,4112.44) v1@5085.75,4112.44 ; v1(5087.4,2636.46) Transistor_Buzzer.1@5087.4,2672.2 5087.4,3162.7 5343.7,3419 v1(5343.7,3459) STM32_?.60@5343.7,3502.2 ; STM32_?.40@5127.17,3817.17 5172.37,3817.17 v1(5212.37,3857.17) ; STM32_?.25@5127.17,4112.44 v1@5085.75,4112.44 ; STM32_?.14@5127.17,4328.98 v1(5170.79,4328.98) 5240,4328.98 5309,4397.98 5309,4611.98 5324.02,4627 STM32_?.202@5324.02,4663.62 5324.02,4707.98 ; v1(5199.04,5840) 5057.01,5697.97 ; v1(5200.55,1060) v1(5200.55,1099) ANYFC_F7.2@5200.55,1150.39 ; STM32_?.184@5678.35,4663.62 v1(5678.35,4708.82) 5678.35,4735 5720.35,4777 5896.94,4777 ; Back_Left_Encoder.2@5720.55,1160.39 5720.55,1109.45 v1(5721,1109) ; v1(5759,5891) 5759.45,5890.55 Back_Right_Encoder.2@5759.45,5839.61 ; STM32_?.170@5953.94,4663.62 5953.94,4720 5947.97,4725.97 ; v1(6161,4822) 6472,4822 6517,4777 ; LED_UP.1@6210,2740 Lights.1@6210,2880 6325,2880 6333.66,2888.66 UART3.5@6449.61,2888.66 UART3.6@6449.61,2928.03 ; v1(6225,4152) v1@6219.62,4152 ; STM32_?.114@6288.58,3758.11 6248.89,3758.11 6203,3804 6203,3836 6147,3892 ; STM32_?.122@6288.58,3915.59 6320,3915.59 6326,3921.59 6326,4033.7 STM32_?.128@6288.58,4033.7 6251,4033.7 6226.3,4009 ; STM32_?.136@6288.58,4191.18 6258.81,4191.18 v1@6219.62,4152 ; STM32_?.149@6288.58,4447.09 6355,4447.09 6408.91,4501 6560,4501 6602,4543 6602,4692 6517,4777 ; UART1.5@6459.61,3358.66 UART1.6@6459.61,3398.03 6463,3398.03 v1(6463,3428) ; v1(6758,3478) 6780,3500 ; C100n_1.1@6777.95,2896.35 v1@6777.95,2946.67 ; v1(6778,4275.67) v1@6788.58,4265.09 ; v1(6780,2946.67) v1@6777.95,2946.67 ; C2u2.1@6790,4540 v1(6790,4445.67) 6790,4373.42 6788.58,4372 v1@6788.58,4265.09 ; v1(6822,3996) 6800,3996 6777.95,3973.95 ; INPUT.4@2800,5920 INPUT.3@3193.7,5920 3260,5920 3311,5971 3801,5971 3852,5920 ; 3852,5920 RESET.4@3910,5920 RESET.3@4303.7,5920 4382,5920 4402,5900 R.2@4460,5900 G.2@4610,5900 4650,5900 ; 3852,5920 3851,5560 3901,5510 ; 4650,5900 B.2@4760,5900 4791.57,5900 4993.6,5697.97 5057.01,5697.97 ; 5324.02,4707.98 v1(5324,4768) 5324,4708 ; 5896.94,4777 5947.97,4725.97 ; 5896.94,4777 v1@5999,4777 ; 5947.97,4725.97 v1@5999,4777 ; v1@5999,4777 v1(6001,4777) 6517,4777 ; 6030,4074 6030,4120 6062,4152 v1@6219.62,4152 ; 6030,4074 6030,4009 6147,3892 ; 6030,4074 6095,4009 6226.3,4009 ; 6147,3892 6147,3929.7 6226.3,4009 ; v1@6777.95,2946.67 6777.95,2977 6780,2977 C100n_2.1@6780,3060 v1(6780,3101) C100n_3.1@6780,3230 C100n_4.1@6780,3390 6780,3500 ; 6777.95,3973.95 6777.95,4070 6788.58,4080.63 C10u.1@6788.58,4207.22 v1@6788.58,4265.09 ; 6777.95,3973.95 C10n_2.1@6777.95,3943.51 6777.95,3877.05 6780,3875 C10n_1.1@6780,3810 C100n_5.1@6780,3540 6780,3500
  Signal Layer 1 w12: v1(2160.55,1221) 2160.55,1203.45 2171,1193 3041,1193 3087,1147 4520,1147 4540,1167 3V3_Supply.1@4540,1240 ; v1(4936.62,4261.57) 5004.02,4328.98 v1(5170.79,4328.98) ; v1(5199.04,5840) 5708,5840 v1(5759,5891) ; v1(5200.55,1060) 5672,1060 v1(5721,1109) ; v1(5324,4768) 5383.18,4708.82 v1(5678.35,4708.82) ; v1(5343.7,3459) v1(5579.92,3459) ; LED_UP.1@6210,2740 6291,2659 v1(6693,2659) ; v1(6683,4746) 6790,4639 v1(6790,4445.67)
  Signal Layer 2 w12: 3V3_Supply.1@4540,1240 4540,1149 4600,1089 5190.55,1089 v1(5200.55,1099) 5081,1218.55 5081,2630.05 v1(5087.4,2636.46) ; v1(4738,5173) 4919,5173 v1(5324,4768) ; v1(5083.54,4112.44) 5083.54,4080.46 5212.37,3951.63 v1(5212.37,3857.17) ; v1(6161,4822) 6155,4816 6155,4243 6140,4228 6140,4193 6181,4152 v1(6225,4152) ; v1(6693,2175) 6664,2204 6664,2446.67 v1(6693,2475.67) v1(6693,2635.67)
  Bottom Layer w10: v1(4473,1509) R_GND_5V_3V3.2@4473,1470 v1(4540,1470) ; 3V3_Supply.1@4540,1240 4618,1240 4638,1220 4638,1196 4680,1154 4920,1154 R_3V3_2.1@4920,1180 ; v1(5021.97,3580.63) 5013,3589.6 5013,3763 5107.17,3857.17 v1(5212.37,3857.17) ; v1(6001,4777) 6089,4865 6650,4865 6680,4835 6680,4755.67 v1@6670,4745.67 ; v1(6463,3428) 6541,3350 6541,3112 6577.33,3075.67 TO3.8@6628.11,3075.67 6754.67,3075.67 v1(6780,3101) ; TO4.8@6618.11,3505.67 6661.33,3505.67 ; TO4.2@6618.11,3805.67 6667,3805.67 6667,3975.67 ; TO3.2@6628.11,3375.67 6677,3375.67 6677,3490 6661.33,3505.67 ; TO5.8@6628.11,3975.67 6667,3975.67 ; TO5.2@6628.11,4275.67 v1(6778,4275.67) ; TO6.8@6628.11,4445.67 v1(6790,4445.67) ; TO6.2@6628.11,4745.67 v1@6670,4745.67 ; TO1.8@6638.11,2175.67 6692.33,2175.67 v1(6693,2175) ; TO1.2@6638.11,2475.67 v1(6693,2475.67) ; TO2.8@6638.11,2635.67 v1@6680,2635.67 ; TO2.2@6638.11,2935.67 6680.33,2935.67 ; v1(6683,4746) 6682.67,4745.67 v1@6670,4745.67 ; v1(6693,2635.67) v1@6680,2635.67 ; v1(6693,2659) v1@6693,2648.67 ; v1(6758,3478) 6730.33,3505.67 6661.33,3505.67 ; v1(6780,2946.67) 6769,2935.67 6680.33,2935.67 ; v1(6822,3996) 6801.67,3975.67 6667,3975.67 ; v1@6680,2635.67 6686.5,2642.17 v1@6693,2648.67 ; 6680.33,2935.67 6760.67,2855.33 6760.67,2716.34 v1@6693,2648.67
GND_5V: 5V_Supply.1 C_5V.2 DT_BL_U_H.3 DT_BL_U_L.3 DT_BL_V_H.3 DT_BL_V_L.3 DT_BL_W_H.3 DT_BL_W_L.3 DT_BR_U_H.3 DT_BR_U_L.3 DT_BR_V_H.3 DT_BR_V_L.3 DT_BR_W_H.3 DT_BR_W_L.3 DT_FL_U_H.3 DT_FL_U_L.3 DT_FL_V_H.3 DT_FL_V_L.3 DT_FL_W_H.3 DT_FL_W_L.3 DT_FR_U_H.3 DT_FR_U_L.3 DT_FR_V_H.3 DT_FR_V_L.3 DT_FR_W_H.3 DT_FR_W_L.3 R_GND_5V_3V3.1 R_GND_SERV_5V.2 R_V5_2.1 TO1.9 TO1.15 TO2.9 TO2.15 TO3.9 TO3.15 TO4.9 TO4.15 TO5.9 TO5.15 TO6.9 TO6.15 | length 40439.8
  Top Layer w10: v1(1363.14,3009) 1344.6,3027.54 1344.6,3247.14 1372.6,3275.14 DT_FL_U_H.3@1372.6,3302.2 ; v1(1370.14,4502) 1348,4524.14 ; DT_FL_U_L.3@1372.6,2292.2 1372.6,2293 1360,2293 1347.3,2280.3 1347.3,2160 1393.3,2114 2432,2114 2468.97,2150.97 ; DT_FR_U_H.3@1372.6,3772.2 1372.6,3810.6 1406,3844 1406,4350 1348,4408 1348,4524.14 ; DT_FR_U_L.3@1372.6,4802.2 1372.6,4772 1348,4747.4 1348,4524.14 ; v1(1944.6,3020) 1944.6,3247.14 1972.6,3275.14 DT_FL_V_H.3@1972.6,3302.2 ; v1(1963,4527) 1948,4542 1948,4747.4 1972.6,4772 DT_FR_V_H.3@1972.6,4802.2 ; DT_FL_V_L.3@1972.6,2292.2 1972.6,2293 1960,2293 1948,2281 1948,2165 1962.03,2150.97 2468.97,2150.97 ; DT_FR_V_L.3@1972.6,3772.2 1972.6,3853.4 1882,3944 1882,4102.85 1976.15,4197 1976.15,4395.85 1857,4515 1857,4947 1950,5040 2656,5040 2666,5030 2582.6,4946.6 DT_FR_W_H.3@2582.6,4802.2 2582.6,4802 2555,4802 2533,4780 2533,4409 2606,4336 2606,4080 ; v1(2545,3020) 2545,3257.4 2572.6,3285 DT_FL_W_H.3@2572.6,3302.2 ; v1(2559,1892) 2548,1903 2548,2202.4 ; DT_FR_W_L.3@2572.6,3772.2 2572.6,3804 2606,3837.4 2606,4080 ; v1(3065,1961) 3065,2144.4 3172.6,2252 DT_BL_U_L.3@3172.6,2272.2 3172.6,2299 3082,2389.6 3082,2617 3148,2683 v1(3148,3002) 3148,3260.4 3172.6,3285 DT_BL_U_H.3@3172.6,3302.2 ; DT_BR_U_L.3@3172.6,3772.2 3172.6,3814.4 3148,3839 v1(3148,3948) 3148,4197 3176.15,4225.15 3176.15,4300 3153.15,4323 2849,4323 2606,4080 ; DT_BR_U_H.3@3172.6,4802.2 3172.6,4797 3148,4772.4 3148,4537 v1(3174,4511) ; v1(3723,3013) 3748,3038 ; v1(3760,4528.24) 3744.6,4543.64 3744.6,4747.14 3772.6,4775.14 DT_BR_V_H.3@3772.6,4802.2 ; DT_BL_V_L.3@3772.6,2272.2 3772.6,2300 3631,2441.6 3631,2960 3709,3038 3709,3252 3760,3303 DT_BL_V_H.3@3772.6,3302.2 3772.6,3272 3748,3247.4 3748,3038 ; DT_BR_V_L.3@3772.6,3812.2 3772.6,3813 3760,3813 3730.77,3783.77 3730.77,3668.89 3741.43,3658.23 3885.23,3658.23 4050,3823 4050,4321 4052,4323 4186,4323 4200,4337 4200,4600.4 4372.6,4773 ; v1(3780,2999.54) 3748,3038 ; 5V_Supply.1@3940,1230 3940,1728.43 C_5V.2@3981.57,1770 ; v1(4050.4,4611) 4200,4611 ; v1(4346,3030) 4346,3248.54 4372.6,3275.14 DT_BL_W_H.3@4372.6,3298 ; DT_BL_W_L.3@4372.6,2272.2 4372.6,2290 4468.5,2385.9 4468.5,2463.5 4272,2660 4272,3197.4 DT_BL_W_H.3@4372.6,3298 ; DT_BL_W_H.3@4372.6,3302.2 DT_BL_W_H.3@4372.6,3298 ; DT_BR_W_H.3@4372.6,4792.2 4372.6,4776 ; DT_BR_W_L.3@4382.6,3792.2 4382.6,3787 4370,3787 4358,3775 4358,3606 4370,3594 4891,3594 4938,3547 4938,3060 4915,3037 4860,3037 4837,3014 4837,2690 5340,2187 v1(5874,2187) ; v1(6418.82,3825.67) 6418.82,3805.67 6428.82,3815.67 v1(6428.82,3995.67) ; 2468.97,2150.97 2548,2230 ; 2468.97,2150.97 2496.56,2150.97 2548,2202.4 ; 2548,2202.4 2572.6,2227 2572.6,2254.6 ; 2548,2202.4 2548,2230 ; 2548,2230 2572.6,2254.6 ; 2548,2230 2548,2261 2560,2273 2572.6,2273 DT_FL_W_L.3@2572.6,2272.2 2572.6,2254.6 ; 4200,4611 4323.74,4727.14 ; 4200,4611 4207.6,4611 4323.74,4727.14 ; 4323.74,4727.14 4371.1,4774.5 ; 4323.74,4727.14 4372.6,4773 ; 4371.1,4774.5 4372.6,4776 ; 4371.1,4774.5 4372.6,4773 ; 4372.6,4773 4372.6,4776
  Signal Layer 1 w12: v1(1363.14,3009) 1439,3009 1518,2930 1854.6,2930 v1(1944.6,3020) 1944.6,2960 2485,2960 v1(2545,3020) 2785,3260 2890,3260 v1(3148,3002) 3257,3002 3290,3035 3547.21,3035 3589.21,2993 3703,2993 v1(3723,3013) ; v1(1370.14,4502) 1938,4502 v1(1963,4527) 2064,4628 2460,4628 2880,4208 2880,3966 2920,3926 3126,3926 v1(3148,3948) ; v1(2559,1892) 3134,1892 ; v1(3065,1961) 3134,1892 ; v1(3174,4511) 3274,4611 3842.76,4611 ; v1(3760,4528.24) 3842.76,4611 ; v1(3780,2999.54) 4315.54,2999.54 v1(4346,3030) ; v1(4050.4,4611) 3842.76,4611 ; v1(5874,2187) 5874,1931 ; v1(6118.67,2175.67) 5874,1931 ; v1(6438.82,2595.67) 6438.82,2459.82 ; v1(6470,2491) 6438.82,2459.82 ; 3134,1892 3859.57,1892 C_5V.2@3981.57,1770 4062.57,1851 5794,1851 ; 5794,1851 5874,1931 ; 5794,1851 5805,1851 ; 5805,1851 5830,1851 6438.82,2459.82 ; 5805,1851 5874,1920 5874,1931
  Signal Layer 2 w12: v1(3148,3948) v1(3148,3002) 3174,3028 v1(3174,4511) ; 5V_Supply.1@3940,1230 3940,1330 4000,1390 v1(4410,1390) ; v1(6428.82,3995.67) 6400,4024.49 6400,4246.67 v1(6429,4275.67) ; v1(6429,3055.67) v1(6429,3485.67) ; v1(6429,4745.67) 6449,4725.67 v1(6449,4446) ; v1(6470,2491) v1(6470,2973)
  Bottom Layer w10: R_GND_SERV_5V.2@3913,1470 3930,1470 5V_Supply.1@3940,1230 4008,1230 4038,1200 4080,1144 4300,1144 R_V5_2.1@4310,1190 ; v1(4410,1390) R_GND_5V_3V3.1@4410,1470 ; v1(6118.67,2175.67) TO1.9@6383.78,2175.67 ; TO4.9@6363.78,3505.67 6400,3505.67 ; TO4.15@6363.78,3805.67 6403.15,3805.67 ; TO3.9@6373.78,3075.67 6409,3075.67 ; TO3.15@6373.78,3375.67 6413.33,3375.67 6425.88,3363.12 6425.88,3086.88 6414.67,3075.67 6409,3075.67 ; TO5.9@6373.78,3975.67 6414.49,3975.67 6428.82,3990 v1(6428.82,3995.67) ; TO6.15@6373.78,4745.67 v1(6429,4745.67) ; TO1.15@6383.78,2475.67 6424.34,2475.67 6438.67,2490 v1@6438.67,2595.82 ; TO2.9@6383.78,2635.67 6423,2635.67 6438.67,2620 v1@6438.67,2595.82 ; TO2.15@6383.78,2935.67 6423.93,2935.67 6442,2953.74 6442,2973 ; v1(6418.82,3825.67) 6418.82,3821.34 6403.15,3805.67 ; v1(6429,3485.67) 6400,3505.67 ; v1(6429,4275.67) TO5.15@6373.78,4275.67 6333.33,4275.67 6309,4300 6309,4420 6334.67,4445.67 TO6.9@6373.78,4445.67 6448.67,4445.67 v1(6449,4446) ; v1(6438.82,2595.67) v1@6438.67,2595.82 ; v1(6470,2973) 6442,2973 ; 6400,3505.67 6412,3517.67 6412,3623.17 6457,3668.17 6457,3780 6431.33,3805.67 6403.15,3805.67 ; 6409,3075.67 v1(6429,3055.67) 6442,3042.67 6442,2973